# KiCad board LabSupply 2025-2026.kicad_pcb (continued)
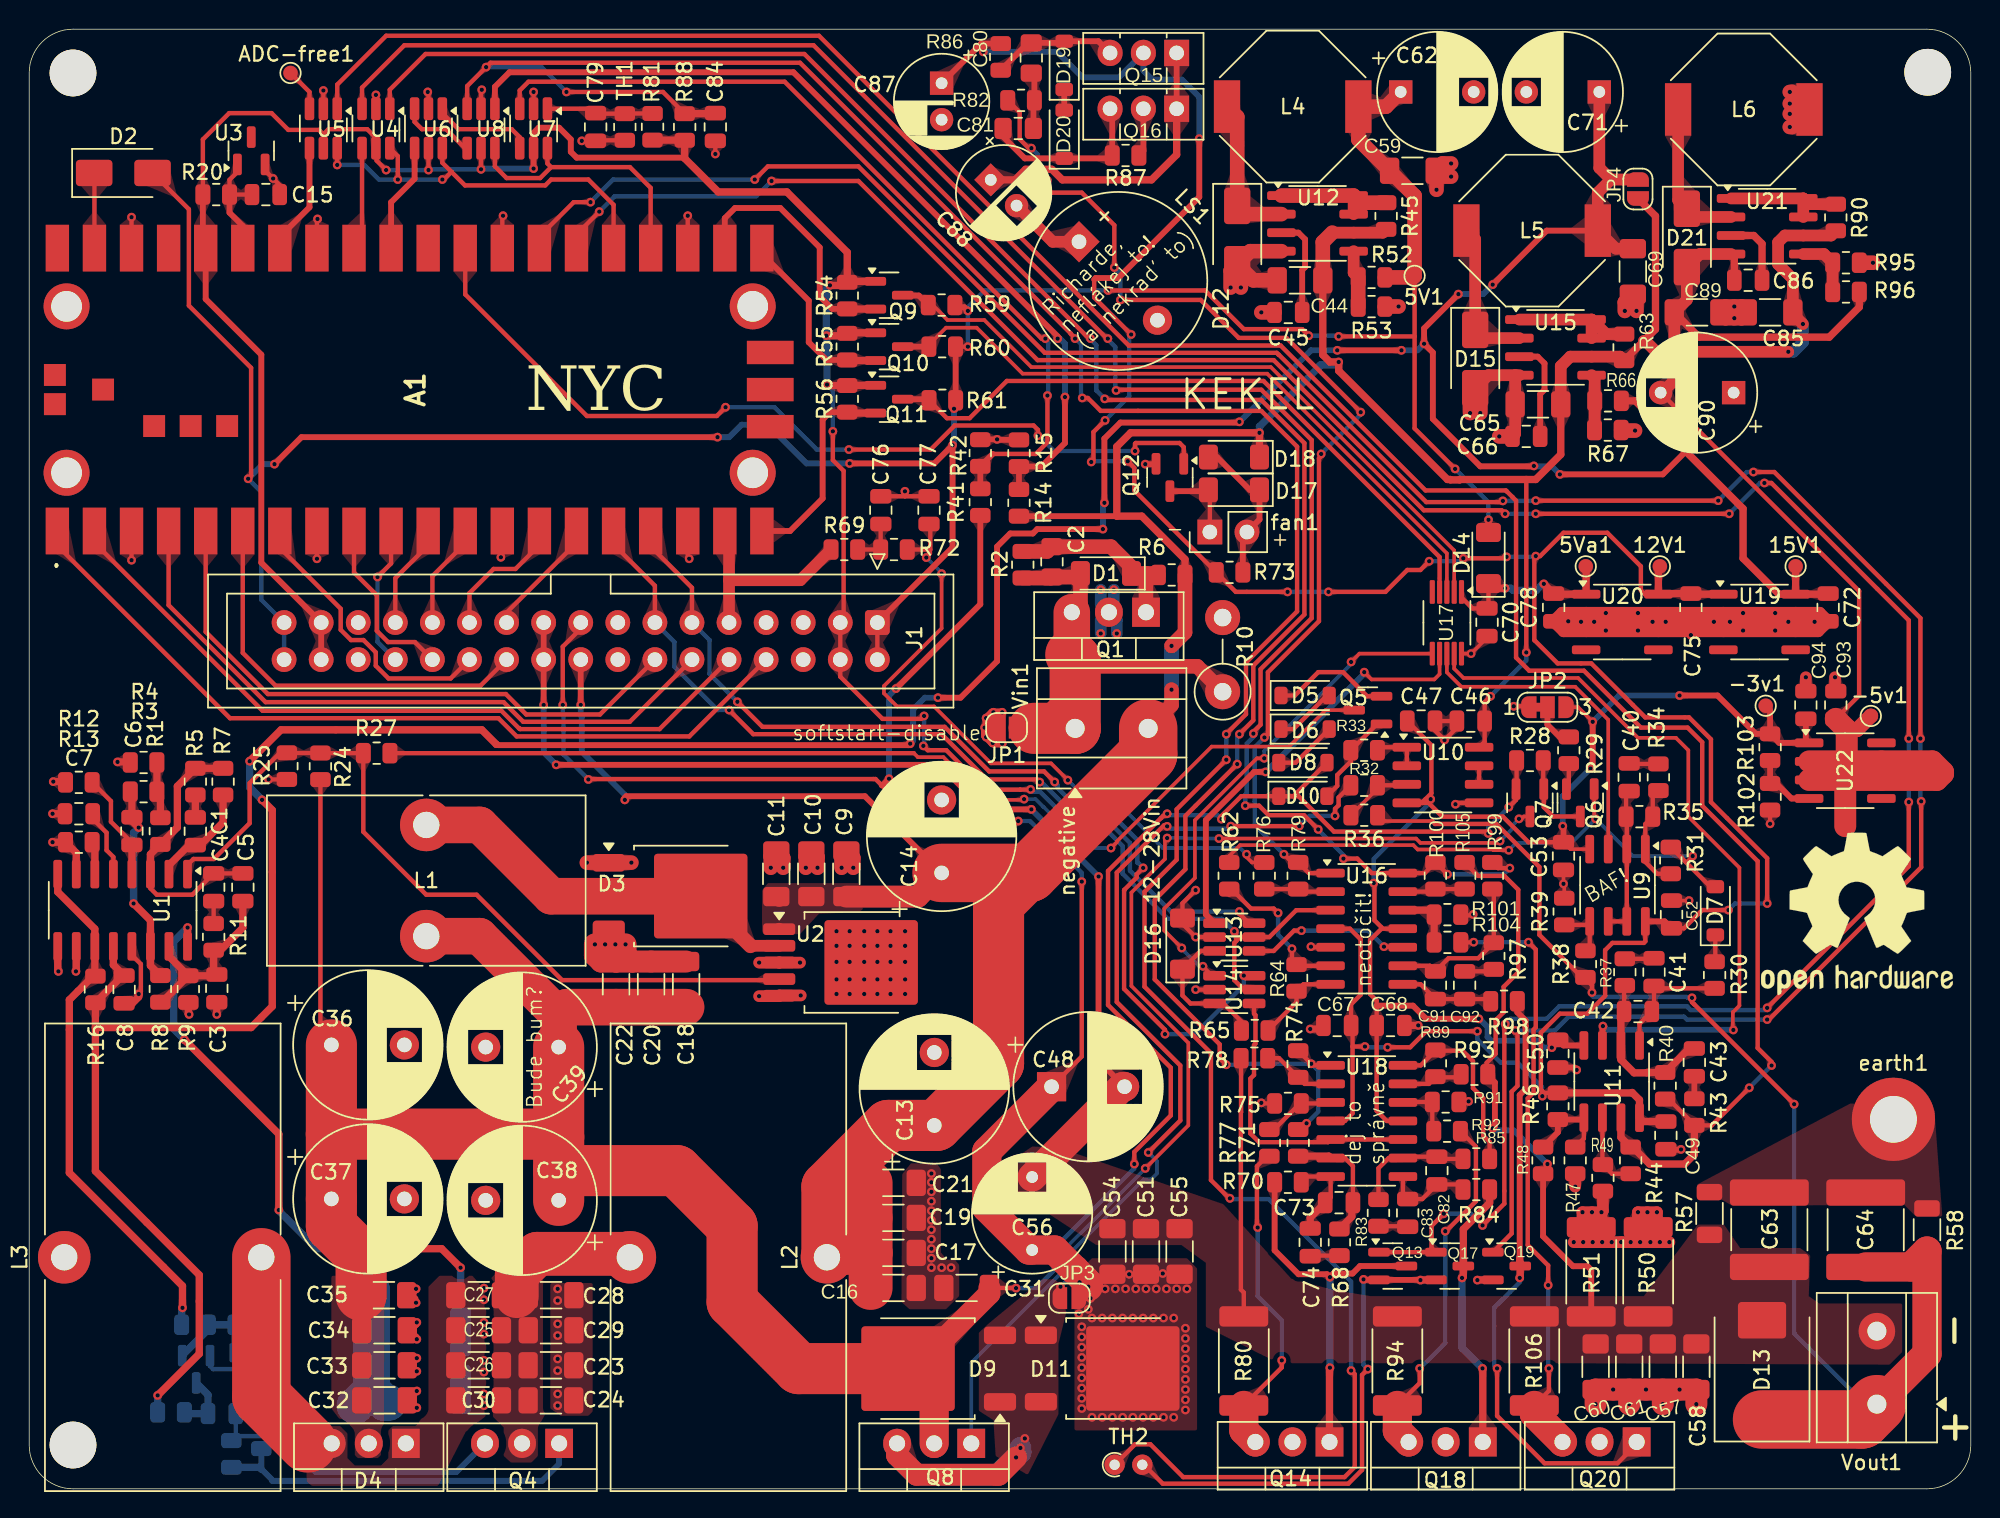
[diagram p0: board, top side]
## Routing (per net, layer and track width the routed paths; a pad name or vN(x,y) marks a point on that pad's centre or on a via; arc(x,y) is an arc through that point) (continued)
Vin-measured: length 60.9
  Top w0.4: R14.2 R15.1 69.34,70.04 70.95,71.65 v1(70.95,74.8) ; U8.1 31.9,96.05 32.9,97.05 52.35,97.05 70.45,78.95 v1(70.45,78.8)
  Bottom w0.4: v1(70.95,74.8) 70.95,78.45 70.6,78.8 v1(70.45,78.8)
adc-mux1: length 29.2
  Top w0.3: 28.92,90.22 28.3,90.85 U6.6 ; 28.92,90.22 28.4,89.7 v1(28.3,89.7) ; 28.92,90.22 29.85,89.3 35.35,89.3 35.75,89.7 38.3,89.7 40.03,87.97 A1.25 ; U4.6 25.25,91.3 v1(25.25,89.7) ; U5.6 v1(21.1,90.7)
  Bottom w0.3: v1(28.3,89.7) v1(25.25,89.7) 23.95,89.7 22.95,90.7 v1(21.1,90.7)
adc-mux2: length 18.7
  Top w0.3: U8.6 31.9,90.6 32.7,89.8 35,89.8 35.75,90.55 ; 35.75,90.55 41.15,90.55 42.57,89.13 A1.24 ; 35.75,90.55 35.5,90.8 U7.6
audio-PWM: length 14.2
  Top w0.8: 47.94,62.25 52.83,62.25 54.92,64.35 ; 47.94,62.25 J1.9 ; 47.94,62.25 47.94,65.33 A1.19
fan: length 60.7
  Top w0.3: v1(69.1,72.15) 69.1,72.55 68.8,72.85 63.4,72.85 61.75,71.2 v1(56.15,71.2) ; v1(47.7,74.1) 47.1,73.5 38.2,73.5 29.87,81.83 A1.29 ; Q12.1 79.09,71.36 78.8,71.65 75.8,71.65 75.75,71.6 v1(75.75,71.1)
  Bottom w0.3: v1(75.75,71.1) 70.2,71.1 69.15,72.15 v1(69.1,72.15) ; v1(56.15,71.2) 53.95,71.2 51.05,74.1 v1(47.7,74.1)
H-Iref: length 34.6
  Top w0.25: U14.1 81.05,35.15 v1(80.4,35.8) ; v1(90.55,56.65) 91.12,57.22 U17.6 ; v1(84.6,50.05) 84.1,50.05 79.85,45.8 79.85,41.85 77.75,39.75 77.75,38.25 v1(78.95,37.05)
  Bottom w0.25: v1(90.55,56.65) 90.55,56.5 84.6,50.55 v1(84.6,50.05) ; v1(78.95,37.05) 79.15,36.85 79.15,36.8 80.15,35.8 v1(80.4,35.8)
HighCurrent-enable: length 181.6
  Top w0.3: v1(128.75,51.4) 128.75,59.5 119.34,68.91 v1(118.86,68.91) ; v1(50.85,89.6) 56.8,89.6 69.07,77.33 85.25,77.33 95.53,67.04 100.86,67.04 v1(101.1,66.8) ; A1.26 37.49,85.94 v1(39.05,87.5) ; v1(119.05,32.95) 128.75,42.65 v1(128.75,47.05) ; v1(101.11,31.84) 101.05,31.78 101.05,19.54 v1(99.56,18.04) ; v1(116.45,66.8) v1(103.2,66.8) ; v1(96.9,18.85) 96.06,18.01 96.06,16.51 Q17.1 Q13.1
  Bottom w0.3: v1(116.45,66.8) 118.56,68.91 v1(118.86,68.91) ; v1(101.11,31.84) 101.47,32.2 103.95,32.2 104.8,33.05 113.57,33.05 113.63,32.99 113.63,32.97 113.8,32.8 118.9,32.8 v1(119.05,32.95) ; v1(96.9,18.85) 98.75,18.85 v1(99.56,18.04) ; v1(101.1,66.8) v1(103.2,66.8) ; v1(50.85,89.6) 49.8,88.55 40.1,88.55 v1(39.05,87.5) ; v1(128.75,51.4) v1(128.75,47.05)
HighCurrent-In-measured: length 140.6
  Top w0.3: 84.42,74.57 84.39,74.6 ; 84.42,74.57 84.39,74.6 ; 84.42,74.57 87.35,71.64 87.35,59.9 83.85,56.4 83.85,52.65 v1(82.9,51.7) ; 84.39,74.6 73.75,74.6 v1(73.68,74.68) ; v1(72.7,78.8) 72.6,78.8 53.1,98.3 27.15,98.3 24.7,95.85 U4.1 ; 86.95,30.04 R74.1 v1(87.82,29.12) 87.93,29.01 U18.1 ; v1(82.75,49.65) 79.2,46.1 79.2,42.45 77.1,40.35 77.1,34.9 81.55,30.45 81.55,29.5 v1(82,29.05) ; v1(87.5,25.04) 87.07,24.62 86.93,24.62
  Bottom w0.3: v1(73.68,74.68) 73.1,75.25 73.1,78.35 72.7,78.75 v1(72.7,78.8) ; v1(82.75,49.65) 82.75,51.55 v1(82.9,51.7) ; v1(87.82,29.12) 83.28,29.12 83.21,29.05 v1(82,29.05) ; v1(87.5,25.04) 88.3,25.84 88.3,28.65 87.85,29.1
HighCurrentSwitch: length 69
  Top w0.3: v1(77.8,31.15) 77.8,31.45 75,34.25 75,41 75.02,41.02 75.02,41.05 75.87,41.89 75.87,42.1 v1(76.31,42.54) ; J1.11 45.4,61.73 42.57,64.56 A1.17 ; v1(70.25,48.42) 69.52,49.15 65.76,49.15 62.71,52.2 50.23,52.2 v1(48.51,53.92) ; U14.6 83.89,35.16 v1(83.2,35.16)
  Bottom w0.3: v1(70.25,48.42) 70.45,48.22 70.45,48.01 72.54,45.92 74.44,45.92 75.9,44.46 75.9,42.9 75.95,42.9 v1(76.31,42.54) ; v1(48.51,53.92) 46.6,55.83 46.6,58.15 J1.11 ; v1(83.2,35.16) 83.2,34.5 79.85,31.15 v1(77.8,31.15)
Iout-measured: length 166.6
  Top w0.3: v1(117.82,27.47) 115.25,24.9 R43.2 114.06,24.94 112.3,26.7 R40.2 ; U5.1 21.1,96.2 24.45,99.55 54.1,99.55 75.32,78.33 85.72,78.33 95.65,68.4 101.15,68.4 101.22,68.33 101.6,67.95 101.6,67.95 101.85,67.7 101.85,56.95 102.75,56.05 106.5,56.05 110.4,52.15 113.6,52.15 114.6,51.15 114.6,46.8 118.4,43 118.4,30.2 119.35,29.25 v1(119.35,29)
  Top w0.5: R40.2 111.65,26.7 ; U11.7 109.03,24.08 R44.1 109.84,23.41 111,22.25 113.4,22.25 114.06,22.91 R43.2
  Bottom w0.3: v1(119.35,29) v1(117.82,27.47)
Iref: length 50.6
  Top w0.25: v1(116.73,31.43) 116.7,31.47 116.7,32.65 117.15,33.1 117.15,42.55 113.65,46.05 113.65,50.6 112.8,51.45 110.2,51.45 106.1,55.55 98.25,55.55 97.61,56.19 U17.9
  Top w0.4: v1(107.8,31.7) 107.76,31.66 107.76,30.38
  Bottom w0.4: v1(116.73,31.43) 116.72,31.45 108.05,31.45 v1(107.8,31.7)
L-Iref: length 29.4
  Top w0.25: U17.7 96.61,55.81 96.25,55.45 91.95,55.45 v1(91.45,55.95)
  Top w0.4: v1(84.69,49.11) 84.69,49.09 84.67,49.11 83.91,49.11 80.6,45.81 80.6,39.35 U13.1
  Bottom w0.4: v1(84.69,49.11) 84.71,49.11 91.45,55.85 v1(91.45,55.95)
LDAC: length 14.3
  Top w0.4: R56.2 54.86,73.76 54.35,73.25 54.35,67.85 52.12,65.62 A1.20
  Top w0.5: R56.2 56.1,73.7 Q11.2
LowCurrent-enable: length 177.6
  Top w0.3: v1(115.7,67.7) v1(103.2,67.7) ; v1(119.05,32.15) 119.17,32.15 129.6,42.58 v1(129.6,47.1) ; v1(100.95,67.68) 100.86,67.6 95.7,67.6 85.6,77.7 85.58,77.7 85.45,77.83 69.57,77.83 56.8,90.6 50.6,90.6 v1(49.7,89.7) ; Q19.1 101.55,17.5 101.55,27.21 101.95,27.61 101.95,31.25 v1(101.8,31.4) ; v1(38.45,88.15) 37.3,88.15 34.95,85.8 A1.27 ; v1(129.55,51.4) 129.55,59.65 119.54,69.66 v1(118.11,69.66)
  Bottom w0.3: v1(101.8,31.4) 104.5,31.4 105.45,32.35 113.35,32.35 113.55,32.15 v1(119.05,32.15) ; v1(49.7,89.7) 40,89.7 v1(38.45,88.15) ; v1(115.7,67.7) 117.66,69.66 v1(118.11,69.66) ; v1(103.2,67.7) 103.18,67.68 v1(100.95,67.68) ; v1(129.6,47.1) 129.55,47.15 v1(129.55,51.4)
LowCurrent-In-measured: length 130
  Top w0.3: v1(74.45,75.25) 74.5,75.3 84.4,75.3 87.85,71.85 87.85,59.65 84.35,56.15 84.35,52.35 83.86,51.86 v1(83.86,51.74) ; U4.3 22.8,96 25.7,98.9 53.72,98.9 73.82,78.8 v1(73.89,78.8) ; v1(101.42,42.53) 100.61,42.53 R99.2 ; v1(97.15,42.1) 96.34,42.91 R100.1 95.59,42.18 U16.14 91.97,42.18 90.97,43.18 v1(90.03,43.18) ; v1(83.3,46.8) 84.25,46.8 84.9,46.15 87.32,46.15 v1(88.3,45.18)
  Bottom w0.3: v1(90.03,43.18) 90.03,43.43 88.3,45.15 v1(88.3,45.18) ; v1(101.42,42.53) 101,42.1 v1(97.15,42.1) ; v1(83.3,46.8) 83.3,47.55 83.4,47.65 83.4,51.05 83.86,51.51 v1(83.86,51.74) ; v1(73.89,78.8) 73.89,78.74 74.4,78.22 74.4,75.3 v1(74.45,75.25)
LowCurrentSwitch: length 59.4
  Top w0.3: U13.6 83.55,38.75 82.75,39.55 v1(82.9,39.55) ; J1.13 42.86,61.87 40.03,64.7 A1.16 ; v1(47.94,53.36) 49.6,51.7 62.5,51.7 65.6,48.6 69.04,48.6 v1(69.22,48.42)
  Bottom w0.3: v1(69.22,48.42) 69.33,48.42 72.33,45.42 74.23,45.42 75.4,44.25 75.4,42.35 78.2,39.55 v1(82.9,39.55) ; v1(47.94,53.36) 47.16,53.36 44.2,56.31 44.2,58.01 J1.13
SCL: length 17.5
  Top w0.4: A1.22 47.65,87.05 48.35,87.75 51.45,87.75 54.15,85.05 54.15,81.7 55.01,80.84 R54.2
  Top w0.5: R54.2 56.05,80.82 57.96,80.82
SDA: length 12.9
  Top w0.4: R55.2 54.61,77.34 53.4,78.55 53.4,81.4 50.19,84.61 A1.21
  Top w0.5: Q10.2 56.08,77.3 R55.2
temp1: length 7.3
  Top w0.3: U7.1 38.45,94.55 38.75,94.25 C79.2 38.84,94.21 TH1.1 40.81,94.22 R81.2
temp2: length 189.1
  Top w0.3: v1(36.8,95.7) 43.41,95.7 R88.2 ; v1(72.14,74.73) 72.52,74.73 73.4,73.85 84.4,73.85 86.85,71.4 86.85,60.11 83.35,56.61 83.35,53.07 82,51.72 v1(82,51.7) ; v1(71.64,78.8) 71.64,78.84 71.34,79.14 71.34,79.16 52.8,97.7 31.6,97.7 v1(31.3,97.4) 30,96.1 U8.3 ; TH2.1 75.75,3.05 76.8,3.05 79.05,0.8 90.1,0.8 90.8,1.5 90.8,7.85 v1(90.55,8.1) ; v1(82.25,19.9) 82.2,19.9 80.95,21.15 80.95,29.85 76.4,34.4 76.4,40.9 78.6,43.1 78.6,46.55 v1(82,49.95)
  Top w0.5: C84.2 46.96,94.21 R88.2
  Bottom w0.3: v1(72.14,74.73) 72.05,74.82 72.05,78.43 71.68,78.8 v1(71.64,78.8) ; v1(82.25,19.9) 82.3,19.85 84.9,19.85 90.55,14.2 v1(90.55,8.1) ; v1(82,51.7) v1(82,49.95) ; v1(31.3,97.4) 35.1,97.4 v1(36.8,95.7)
Vout+: length 204.3
  Top w0.25: 96.1,45.75 92.86,45.75 92.46,46.15 R36.1
  Top w0.3: v1(120.9,26.35) 114.05,33.2 114.04,33.2 113.9,33.34 v1(113.9,33.64) ; v1(72.1,41.6) 72.1,29.62 C48.1 ; 96.1,45.75 96.3,45.55 100.5,45.55 103.45,42.6 103.45,37.95 106.36,35.04 R38.1 106.6,34.95 107.05,34.5 v1(107.05,34) ; v1(36.55,53.7) 36.55,57.7 37.78,58.93 J1.17 ; v1(38.3,48.6) 38.33,48.63 57.97,48.63 61.25,45.35 67.35,45.35 v1(67.75,45.75)
  Top w0.4: v1(59.38,54.82) 65.15,60.6 R41.1 ; v1(58.9,48.65) 58.45,48.2 58.4,48.2
  Top w1.5: v1(107.3,5.8) C60.2 v1(108.5,6.8) v1(110.75,6.8) v1(113.05,6.8) C58.2 v1(114.2,5.8) ; C61.2 v1(109.6,5.8) ; C57.2 v1(111.9,5.8)
  Top w2: v1(72.55,13.85) 72.55,14.05 72.31,14.29 72.31,14.31 71.6,15.02 71.58,15.02 70.24,16.36 C56.1 68.49,16.36 65.6,19.25 65.6,23.12 C48.1 ; Vout1.1 130,9.23 R58.1 128.91,15.2 C64.1
  Top w4: Vout1.1 125.52,4.75 D13.1
  Bottom w0.3: v1(120.9,26.35) 120.9,10.65 125.75,5.8 Vout1.1 ; v1(67.75,45.75) 68.55,45.75 72.1,42.2 v1(72.1,41.6) ; v1(113.9,33.64) 113.6,33.64 113.54,33.7 107.15,33.7 107.05,33.8 v1(107.05,34) ; v1(38.3,48.6) 36.6,50.3 36.6,53 36.55,53.05 v1(36.55,53.7)
  Bottom w0.4: v1(58.9,48.65) 58.9,54.35 v1(59.38,54.82)
  vias: v1(71.95,14.15) v1(71.9,12) v1(72.1,11.1) v1(72.1,10.4) v1(72.1,9.7) v1(72.1,9) v1(72.1,8.3) v1(72.1,7.6) v1(72.1,6.9) v1(72.1,6.2) v1(72.1,5.5) v1(72.55,12.3) v1(72.7,13.05) v1(72.8,11.7) v1(72.8,4.9) v1(73.5,11.7) v1(73.5,4.9) v1(73.7,13.7) v1(74.2,11.7) v1(74.2,4.9) v1(74.4,13.7) v1(74.9,11.7) v1(74.9,4.9) v1(75.1,13.7) v1(75.35,14.7) v1(75.6,11.7) v1(75.6,4.9) v1(75.8,13.7) v1(76.3,11.7) v1(76.3,4.9) v1(76.5,13.7) v1(77,11.7) v1(77,4.9) v1(77.2,13.7) v1(77.65,14.75) v1(77.7,11.7) v1(77.7,4.9) v1(77.9,13.7) v1(78.4,11.7) v1(78.4,4.9) v1(78.6,13.7) v1(79.2,11) v1(79.2,10.3) v1(79.2,9.6) v1(79.2,8.9) v1(79.2,8.2) v1(79.2,7.5) v1(79.2,6.8) v1(79.2,6.1) v1(79.2,5.4) v1(79.3,13.7)
Vout-: length 131.6
  Top w0.3: R78.2 83.01,25.81 83,25.8 83,13.65 83.2,13.45 R80.2 ; R93.2 99.84,28.48 99.84,29.19 100.45,29.8 100.45,32.1 101,32.65 101,34.39 102,35.39 102,41.04 101.05,41.99 99.25,41.99 98.33,42.91 R105.2
  Top w0.4: v1(100.25,24.7) 100.4,24.85 100.4,27.84 99.91,28.33 R93.2 ; v1(104,22.25) 104,21.9 103.7,21.6 R48.2 103.7,17.3 105.75,15.25 106.75,15.25 107,15 R51.1 ; v1(36.1,49.6) 62.35,49.6 65.4,46.55 v1(68.65,46.55) ; J1.19 J1.20 v1(35.24,53.7) ; v1(73.25,41.95) 73.25,29.33 C48.2
  Top w0.5: 99.89,28.45 99.91,28.43 R93.2
  Top w2: C56.2 74.89,27.55 C48.2
  Bottom w0.4: v1(36.1,49.6) 35.25,50.45 35.25,53.04 35.24,53.05 v1(35.24,53.7) ; v1(104,22.25) 103.26,22.99 103.25,22.99 101.69,24.55 100.4,24.55 v1(100.25,24.7) ; v1(73.25,41.95) v1(68.65,46.55)
Vout-measured: length 58.8
  Top w0.3: U7.3 33.6,95.8 34.2,96.4 51.75,96.4 69.35,78.8 v1(69.61,78.8) ; v1(69.75,74.9) 69.75,71.7 68.95,70.9 66,70.9
  Top w0.4: 66,70.9 R42.1 R41.2
  Bottom w0.3: v1(69.61,78.8) 69.61,78.71 69.8,78.52 69.8,74.95 v1(69.75,74.9)
Vref: length 22.5
  Top w0.25: U17.8 97.11,55.94 98.1,54.95 105.9,54.95 108.16,52.69 108.16,43.82
Net-(A1-ADC_VREF): length 8
  Top w0.3: R20.1 13.72,89.68 14.26,90.22 U3.1 ; R20.1 13.83,88.56 ; R20.1 C15.1
  Top w0.4: A1.35 14.63,86.52 13.72,87.43 R20.1
Net-(A1-GPIO0): length 57.1
  Top w0.3: J1.8 45.22,51.55 33.39,51.55 32.15,52.8 13.75,52.8 1.93,64.62 A1.1
Net-(A1-GPIO1): length 51.5
  Top w0.3: J1.10 43.18,52.05 33.63,52.05 33.58,52.1 33.55,52.1 32.35,53.3 15.99,53.3 4.47,64.82 A1.2
Net-(A1-GPIO2): length 46
  Top w0.3: J1.12 41.14,52.55 33.84,52.55 32.5,53.9 16.2,53.9 9.55,60.54 A1.4
Net-(A1-GPIO3): length 41.6
  Top w0.3: J1.14 39.1,53.05 34.05,53.05 32.65,54.45 16.35,54.45 12.09,58.71 A1.5
Net-(A1-GPIO4): length 28.1
  Top w0.3: J1.22 30.91,55.02 16.88,55.02 14.63,57.27 A1.6
Net-(A1-GPIO5): length 19.8
  Top w0.3: A1.7 17.17,64.46 21.34,60.29 21.34,58.85 22.04,58.15 22.9,58.15 23.74,57.31 23.74,56.39 24.61,55.52 28.87,55.52 J1.24
Net-(A1-GPIO6): length 12.1
  Top w0.3: A1.9 22.25,62.78 23.81,61.22 23.81,58.78 24.58,58.01 26.42,58.01 J1.26
Net-(A1-GPIO7): length 9.7
  Top w0.3: v1(23.86,62.47) 24.79,63.4 A1.10
  Bottom w0.3: v1(23.86,62.47) 23.86,58.03 J1.28
Net-(A1-GPIO8): length 8.4
  Top w0.3: J1.27 25.08,62.39 27.33,64.64 A1.11 27.33,64.44
Net-(A1-GPIO9): length 7.2
  Top w0.3: J1.25 27.62,62.53 29.87,64.78 A1.12
Net-(A1-GPIO10): length 9.1
  Top w0.3: A1.14 34.95,64.66 33.31,63.02 31.81,63.02 30.16,61.37 J1.23
Net-(A1-GPIO11): length 8.3
  Top w0.3: A1.15 37.49,64.82 32.7,60.03 J1.21
Net-(A1-GPIO26_ADC0): length 7.5
  Top w0.4: U6.4 26.4,89.75 24.79,88.14 A1.31
Net-(A1-GPIO27_ADC1): length 7.3
  Top w0.3: 22.92,91.97 U4.4 22.8,85.55 A1.32
Net-(A1-GPIO28_ADC2): length 7.7
  Top w0.4: A1.34 17.17,85.77 19.2,87.8 U5.4
Net-(A1-VSYS): length 5.2
  Top w0.3: A1.39 4.47,90.13 D2.1
Net-(ADC-free1-Pad1): length 3
  Top w0.3: U5.3 19.2,95.7 ADC-free1.1
Net-(C1-Pad2): length 1.5
  Top w0.5: R5.2 C1.2
Net-(C4-Pad2): length 1.5
  Top w0.3: C4.2 R11.2
Net-(C23-Pad2): length 15.7
  Top w1.5: D4.3 19.09,3.11
  Top w4: 19.09,3.11 15.9,6.3 L3.2
  vias: v1(31.15,13.75) v1(31.15,12.95) v1(31.15,11.4) v1(31.15,10.6) v1(31.15,8.8) v1(31.15,8) v1(31.15,6.5) v1(31.15,5.7) v1(36.2,13.7) v1(36.2,12.9) v1(36.2,11.3) v1(36.2,10.5) v1(36.2,8.9) v1(36.2,8.1) v1(36.2,6.5) v1(36.2,5.7)
Net-(C40-Pad1): length 2
  Top w0.3: R34.2 109.64,49.66 C40.1
Net-(C41-Pad1): length 8.7
  Top w0.3: R30.2 111.46,34.29 C41.1 111.3,32.85 C42.1 110.31,31.85 U11.1
Net-(C41-Pad2): length 2
  Top w0.3: R37.1 111.26,36.31 C41.2
Net-(C43-Pad2): length 1.5
  Top w0.4: 114.06,28.26 R43.1
Net-(C73-Pad1): length 6.3
  Top w0.3: R70.1 87.53,21.39 U18.7 89.15,19.98 C73.1
  Top w0.5: C74.1 87.75,18.58 C73.1
Net-(C74-Pad2): length 2
  Top w0.3: R68.1 87.79,15.97 C74.2
Net-(C76-Pad1): length 3.3
  Top w0.3: C76.1 58.33,66.09 R72.1 R69.2
Net-(C77-Pad1): length 46.4
  Top w0.25: R76.1 83.76,42.91 83.39,43.28 v1(83.39,43.47) ; v1(71.15,48.55) 70,49.7 65.88,49.7 61.98,53.6 59.45,53.6 58.55,54.5 58.55,55 62.5,58.95 v1(62.5,62.7) ; 61.72,64.35 61.72,64.07 v1(61.45,63.8)
  Top w0.3: C77.1 61.72,66.01 61.72,64.35 R72.2
  Bottom w0.25: v1(62.5,62.7) 62.5,62.75 v1(61.45,63.8) ; v1(83.39,43.47) 83.38,43.47 82.95,43.9 77.65,43.9 74.9,46.65 73.05,46.65 v1(71.15,48.55)
Net-(C80-Pad2): length 3.9
  Top w0.4: C80.2 68.86,96.78 R82.2 68.79,95.06 C81.2
Net-(C82-Pad1): length 6
  Top w0.3: U18.8 94.1,20.18 C83.1 95.43,19.85 C82.1 97.86,20.85 R84.1
Net-(C83-Pad2): length 2
  Top w0.3: R83.1 94.39,17.99 C83.2
Net-(C88-Pad2): length 5.3
  Top w0.8: LS1.1 70.11,85.44 C88.2
Net-(C91-Pad1): length 6.5
  Top w0.3: R98.1 99.96,33.55 C92.1 C91.1 95.31,34.56 U16.8
Net-(C92-Pad2): length 2.1
  Top w0.3: C92.2 100.19,35.45 R97.1
Net-(D1-A): length 31.4
  Top w1: 68.84,52.1 68.8,52.15 JP1.1 ; R2.2 69.98,62.4 C2.2 71.77,62.47 D1.2 72.01,60.65 Q1.3 ; 71.35,57.15 72.15,56.35 80.01,56.35 R10.1
  Top w2.5: Q1.3 71.42,57.22 71.35,57.15
  Top w3.5: Vin1.1 71.06,52.69 ; Vin1.1 71.65,56.85 71.35,57.15 ; Vin1.1 68.84,52.1
Net-(D1-K): length 13.1
  Top w1: Q1.1 76.5,62.71 ; 76.5,62.71 77.25,62.71 R6.2 ; 76.5,62.71 D1.1 75.51,63.14 74.1,64.55 C2.1 69.73,64.22 R2.1
Net-(D3-K): length 27.6
  Top w0.8: U2.2 49.41,37.2
  Top w1: 49.41,37.2 D3.2
  Top w2.5: L1.1 30.87,45.48 35.75,40.6 45.99,40.6 D3.2
Net-(D5-A): length 4.3
  Top w0.3: D6.1 86.6,52.05 88.9,54.35 D5.2
Net-(D5-K): length 8.2
  Top w0.3: D5.1 86.7,54.35 88.3,55.95 90,55.95 91.65,54.3 Q5.2
Net-(D6-A): length 4.4
  Top w0.3: D6.2 86.75,49.75 D8.1
Net-(D7-A): length 41.5
  Top w0.25: v1(107.3,45.9) 107.2,46 Q6.1 ; R62.1 82.2,43.35 82.95,44.1 94.81,44.1 95.11,43.8 100.25,43.8 100.3,43.75 100.49,43.75 100.49,43.75 100.92,43.75 100.92,43.75 v1(101.35,43.75) ; 113.48,42.93 113.53,42.93 v1(113.95,43.35)
  Top w0.3: D7.2 115.16,41.25 R31.1
  Bottom w0.25: v1(101.35,43.75) 101.85,44.25 105.65,44.25 v1(107.3,45.9) 109.85,43.35 v1(113.95,43.35)
Net-(D7-K): length 1.9
  Top w0.3: D7.1 115.5,36.16 R30.1
Net-(D10-A): length 6.7
  Top w0.3: D10.2 89.6,48.16 89.6,48.9 90.53,49.83 R33.1 92.33,52.4 Q5.1
Net-(D10-K): length 208.8
  Top w0.3: D8.2 86.6,47.45 D10.1 ; D10.1 83.02,47.45 81.65,46.08 81.65,45.9 v1(81.67,45.88) ; D10.1 86.95,47.45 89.37,45.03 99.82,45.03 v1(99.95,44.9) ; C31.2 67.59,13.76 v1(67.6,13.75) ; R24.1 19.95,31.16 C36.1 ; R28.1 101.89,47.97 Q7.2 101.85,47.2 v1(101.35,46.7) ; v1(77.95,46.25) 77.8,46.1 77.68,46.1 77.53,45.95 77.52,45.95 73.9,42.33 73.9,33.15 78.2,28.85 78.2,25.58 75.7,23.08 v1(75.7,22.25)
  Top w1.5: D9.2 60.64,8.24 65.78,13.38 C31.2
  Top w2: Q8.2 61.99,6.44
  Top w2.5: 36.27,32.43 36.84,33 C22.2 C18.2 ; 36.27,32.43 30.84,37.86 L1.2 ; 36.27,32.43 C39.1 ; 61.99,6.44 D9.2
  Top w3.5: 36.27,21.8 C38.1 ; 36.27,21.8 44.35,21.8 48.15,18 48.15,12.8 52.72,8.24 D9.2 ; 36.27,21.8 36.27,24.1 ; 20.7,24.3 36.07,24.3 36.27,24.1 ; 20.7,24.3 C36.1 ; 20.7,24.3 C37.1 20.7,18 22.74,15.96 C35.2 ; 36.27,24.1 C39.1
  Bottom w0.3: v1(75.7,22.25) 75.7,21.95 70.17,16.42 70.17,14.95 68.98,13.75 v1(67.6,13.75) ; v1(81.67,45.88) 81.4,46.15 78.05,46.15 v1(77.95,46.25) ; v1(101.35,46.7) 99.95,45.3 v1(99.95,44.9)
Net-(D12-K): length 10.3
  Top w1: L4.1 82.75,94 D12.1 83.31,87.33 U12.2
Net-(D15-K): length 10.3
  Top w0.8: L5.1 99.05,85.6 D15.1 99.62,78.84 102.07,78.84
Net-(D16-K): length 9.9
  Top w0.3: R65.2 83.04,32.01 81.8,33.25 U14.3 79.55,33.25 79,33.8 D16.1 80.25,36.85 U13.3
Net-(D17-A): length 6
  Top w0.3: 80.25,68.45 80.35,68.55 80.88,68.03 fan1.1
  Top w0.4: Q12.3 80.69,68.35 D17.2
Net-(D17-K): length 10.6
  Top w0.4: R73.2 83.14,65.27 fan1.2 84.28,66.41 D17.1 83.61,68.44 81.36,70.69 D18.2
Net-(D19-A): length 8.6
  Top w0.4: Q15.3 73.24,99.18 D19.2 70.79,99.06 C80.1 68.42,99.06 R86.2
Net-(D19-K): length 1.4
  Top w0.4: D19.1 D20.2
Net-(D20-K): length 12
  Top w0.4: Q16.3 74.19,94.4 R87.1 73.99,91.15 D20.1 68.2,91.15 66.71,92.64 C81.1
Net-(D21-A): length 86
  Top w0.3: C90.2 125.35,61.5 125.35,54.35 C93.1
  Top w0.5: C89.2 114.39,78.9 123.3,78.9 125.36,80.96 R96.2 ; U21.4 116.8,84.37 C86.1
  Top w0.8: C90.2 111.85,75.1 112.69,75.94 C89.2 113.55,81.46 D21.2 114.44,84.59 U21.4
  Top w1: 124.5,52 125.2,52 -5v1.1
  Top w1.5: 124.4,48.56 124.4,45.4 ; 124.4,48.56 U22.6 130.66,48.56 131.1,49 131.1,49.1 130.37,49.84 124.5,49.84 ; 124.4,48.56 U22.3 ; C93.1 124.5,52 124.5,49.84 ; 124.5,49.84 121.93,49.84
Net-(D21-K): length 10.3
  Top w0.8: L6.1 112.95,88.3 D21.1 114.12,87.13 U21.2
Net-(JP2-C): length 3
  Top w0.4: R29.2 105.45,51.5 104.85,51.5 104,52.35 JP2.2
Net-(JP3-A): length 75.6
  Top w0.25: v1(70.64,13.85) 70.6,13.8 JP3.1
  Top w0.3: 90.23,47.9 R32.1 89.69,47.36 89.69,46.83 89.45,46.59 v1(89.45,46.1) ; v1(76.66,23.04) 78.85,25.23 78.85,29 74.5,33.35 74.5,42.22 77.73,45.45 77.89,45.45 v1(77.95,45.39) ; v1(82.3,45.4) v1(87,45.4)
  Top w1.5: v1(67.6,2.15) 66.41,0.96 60.79,0.96 59.45,2.3 Q8.3
  Bottom w0.25: v1(70.64,13.85) 71.15,14.35 71.15,16 76.35,21.2 76.85,21.2 77.25,21.6 77.25,22.45 v1(76.66,23.04)
  Bottom w0.3: v1(89.45,46.1) 87.7,46.1 v1(87,45.4) ; v1(82.3,45.4) 82.3,45.4 82.13,45.23 78.17,45.23 78.01,45.39 v1(77.95,45.39)
  Bottom w1.5: Q8.3 59.45,2.3 60.8,0.95 66.35,0.95 67.9,2.5 v1(67.9,2.8)
  vias: v1(68.2,3.45)
Net-(Q2-B): length 6.8
  Bottom w0.5: Q2.1 10.49,9.14 12.27,10.92 R17.2 R18.1 14.09,9.21 14.01,9.12
Net-(Q2-C): length 4.1
  Bottom w0.5: Q2.3 12.25,6.44 C12.2 10.71,5.15 R19.1
Net-(Q2-E): length 11.7
  Bottom w0.3: Q2.2 12.39,8.41 12.6,8.2 14.65,8.2 15.1,8.65 15.1,9.05 15.38,9.32 Q3.2
  Bottom w0.5: R18.2 15.92,9.14 15.91,9.12 15.91,4.58 R21.1
Net-(Q3-C): length 66.5
  Top w0.5: U1.16 10.84,38.44 v1(10.85,38.45) ; v1(29.55,15.15) 28.25,16.45 v1(25.1,16.45) ; v1(17.1,19.1) 17.1,24.3 v1(10.62,30.78)
  Bottom w0.3: 17.14,3.61 14.16,3.61 R22.2 ; 14.15,5.24 14.15,3.6 R22.2 ; R22.2 14.05,3.3
  Bottom w0.4: 17.14,3.61 19.61,1.14 29.25,1.14 Q4.3
  Bottom w0.5: v1(10.62,30.78) 9.9,31.5 9.9,37.5 v1(10.85,38.45) ; R26.1 v1(29.55,15.15) ; v1(17.1,19.1) 17.1,19.05 19.7,16.45 v1(25.1,16.45) ; 14.15,5.24 14.96,6.04 14.96,7.25
Net-(Q4-D): length 9.9
  Top w3: 33.4,13.2 33.4,14.7 34.8,16.1 40.91,16.1 L2.2
Net-(Q4-G): length 26.2
  Bottom w0.4: Q4.1 36.3,1.71 35.13,0.54 16.65,0.54 16.65,0.6 15.9,1.35 R21.2
  Bottom w0.5: R22.1 15.78,1.47 15.9,1.35
Net-(Q5-C): length 72.7
  Top w0.25: v1(68.15,47.25) 68.1,47.2 65.55,47.2 62.62,50.13 60.87,50.13 60.6,50.4 ; v1(74.1,43.9) 74.5,44.3 74.5,44.35 81,50.85 86.3,50.85 88.8,53.35 Q5.3
  Top w0.3: R27.2 60.6,50.4
  Bottom w0.25: v1(74.1,43.9) 72.3,43.9 69.47,46.73 69.45,46.73 68.93,47.25 v1(68.15,47.25)
Net-(Q6-C): length 6
  Top w0.3: R28.2 103.71,47.97 Q7.1 103.75,46.7 104.39,46.06 Q6.3
Net-(Q6-E): length 1.8
  Top w0.3: R29.1 105.46,48.1 Q6.2
Net-(Q7-C): length 76.1
  Top w0.25: v1(100.75,44.38) 100.62,44.25 95.3,44.25 95,44.55 v1(81.5,44.55) ; Q7.3 102.39,46.06 102.22,45.9 v1(102.05,45.9) ; v1(77.95,44.59) 77.8,44.44 77.8,43.15 75.5,40.85 75.5,34.45 79.4,30.55 79.4,24.9 v1(76.45,21.95)
  Bottom w0.25: v1(102.05,45.9) 101.6,45.45 101.6,45.23 v1(100.75,44.38) ; v1(76.45,21.95) 70.65,16.15 70.65,14.75 64.53,8.63 Q8.1 ; v1(81.5,44.55) 79.2,44.55 79.15,44.6 77.96,44.6 v1(77.95,44.59)
Net-(Q9-D): length 47.9
  Top w0.25: U17.2 97.61,64.29 85.05,76.85 68.65,76.85 65.43,80.07 62.9,80.07 62.57,80.4 62.57,80.43 61.9,81.1 R59.2
  Top w0.4: R59.2 60.94,81.75 59.8,81.75 59.83,81.78 Q9.3
Net-(Q10-D): length 47
  Top w0.25: U17.3 97.11,64.09 84.8,76.4 68.05,76.4 64.9,79.55 62.8,79.55 61.62,78.38 R60.2 61.62,78.22
  Top w0.4: Q10.3 R60.2
Net-(Q11-D): length 45.8
  Top w0.2: 96.63,61.46 U17.4 96.61,62.34
  Top w0.3: R61.2 62.86,73.35 64.42,73.35 66.97,75.9 84.55,75.9 96.61,63.84 96.61,62.34
  Top w0.4: Q11.3 61.56,74.65 R61.2
Net-(Q13-D): length 26.1
  Top w0.4: R70.2 85.31,16.34 86.95,14.7 88.9,14.7 v1(89.1,14.5) 89.35,14.75 90.65,14.75 91.16,15.26 Q13.3
  Top w0.5: v1(89.1,8.3) 89.07,8.27 Q14.1
  Bottom w0.5: v1(89.1,14.5) v1(89.1,8.3)
Net-(Q14-S): length 22.1
  Top w0.3: v1(84.15,17.9) 84.1,17.95 84.1,22.1 84.79,22.79 R77.2 ; R80.1 85.8,8.31 v1(85.8,8.8)
  Top w2: R80.1 83.2,4 Q14.3
  Bottom w0.3: v1(85.8,8.8) 85.8,11.55 84.15,13.2 v1(84.15,17.9)
Net-(Q15-E): length 21
  Top w0.4: Q16.1 Q15.1
  Top w0.5: Q16.1 78.6,91.4 76.88,89.68 70.77,89.68 70.05,90.4 68.25,90.4 67.53,89.68 C88.1
Net-(Q17-D): length 18.7
  Top w0.3: 99.98,20.45 R84.2
  Top w0.5: v1(99.55,8.25) 99.57,8.23 Q18.1 ; R84.2 100.04,19.59 98.24,17.79 Q17.3 98.24,14.54 v1(98.15,14.45)
  Bottom w0.5: v1(98.15,14.45) 98.15,9.65 v1(99.55,8.25)
Net-(Q18-S): length 24.3
  Top w0.3: R92.2 99.1,23.44 99.1,19.7 97.05,17.65 v1(97,17.65) ; R94.1 95.25,7.24 v1(95.25,8.25)
  Top w2: Q18.3 93.72,3.98 R94.1
  Bottom w0.3: v1(95.25,8.25) 97,10 v1(97,17.65)
Net-(Q19-D): length 41.2
  Top w0.3: Q20.1 110.11,3.06 108.8,1.75 103.8,1.75 100.55,5 v1(100.55,8.25)
  Top w0.4: 102.1,15.85 102.1,26.98 102.5,27.38 102.5,31.69 102.5,31.69 102.5,32.09 101.94,32.65 R98.2
  Top w0.5: 102.1,15.85 102.1,15.53 102.14,15.49 Q19.3 102.14,14.49 v1(102.1,14.45)
  Bottom w0.3: v1(102.1,14.45) 102.1,14.15 100.35,12.4 100.35,8.45 v1(100.55,8.25)
Net-(Q20-S): length 41.1
  Top w0.3: v1(98.95,37.45) 98.8,37.45 98.79,37.44 R104.2 ; v1(104.05,13.95) 104.05,15.3 102.65,16.7 102.65,26.75 103.05,27.15 103.05,31.46 103.2,31.61 103.2,36.95 v1(102.7,37.45) ; v1(104.1,8.25) 104.1,6.71 R106.1
  Top w2: R106.1 103.1,5.14 Q20.3
  Bottom w0.3: v1(104.05,13.95) 104.05,8.3 v1(104.1,8.25) ; v1(98.95,37.45) v1(102.7,37.45)
Net-(R1-Pad2): length 3.9
  Top w0.5: R4.2 R3.1 8.98,47.53 R1.2
Net-(R31-Pad2): length 7.3
  Top w0.3: R34.1 111.21,47.45 R35.1 110.71,45.54 U9.1 110.71,42.94 111.51,42.14 R31.2
Net-(R64-Pad2): length 6
  Top w0.3: U16.7 87.28,34.56 R64.2 86.81,33.35 R65.1
Net-(R79-Pad2): length 75.7
  Top w0.3: v1(74.33,83.67) 74.33,86.57 72.1,88.8 69.95,88.8 69.74,89.01 v1(69.74,89.64) ; v1(85.95,43.47) 86.51,42.91 R79.2 87.66,42.18 U16.1 ; v1(91.21,73.76) 86.12,78.85 82.85,78.85 80.25,81.45 v1(74.75,81.45) ; R82.1 67.85,94.31 67.85,92.47 68.47,91.85 v1(68.65,91.85) ; v1(84.61,51.47) 84.85,51.71 84.85,55.94 88.35,59.44 88.35,70.6 88.45,70.7 88.45,70.85 v1(88.5,70.9)
  Bottom w0.3: v1(88.5,70.9) 91.21,73.61 v1(91.21,73.76) ; v1(84.61,51.47) 83.95,50.81 83.95,47.07 83.95,47.07 83.95,45.47 v1(85.95,43.47) ; v1(69.74,89.64) 69.1,90.29 69.1,91.4 v1(68.65,91.85) ; v1(74.75,81.45) 74.75,83.25 v1(74.33,83.67)
Net-(R85-Pad2): length 13.3
  Top w0.3: 96.32,30.01 95.32,29.01 U18.14 ; 96.32,30.01 96.7,29.64 ; 96.32,30.01 98.19,30.01 98.9,29.3 98.9,27.45 99.6,26.75 99.6,24.2 100.04,23.76 R85.2 ; 96.32,30.01 R89.1
Net-(U1-1IN+): length 55.6
  Top w0.3: U1.1 10.84,42.75 11.25,43.15 12.65,43.15 15.1,45.6 15.1,48.35 17.17,50.43 R25.1 17.66,50.41 R24.2 19.96,50.4 R27.1 22.89,45.01 27.2,40.7 30.65,40.7 36.5,34.85 51.3,34.85 U2.4
Net-(U1-1IN-): length 8.1
  Top w0.5: R7.1 13.28,45.66 11.72,44.1 C1.1 10.95,44.1 9.58,42.72 U1.2 9.58,42.76
Net-(U1-2IN-): length 13.4
  Top w0.5: R9.2 9.58,36.47 U1.15 ; R9.2 9.09,33.34 R8.1 ; R9.2 12.76,35.15 C3.1 12.64,35.45 R11.1 13.1,36.9 14.64,38.44 C5.2
Net-(U1-C1): length 36
  Top w0.5: v1(10.5,12.4) 10.5,13.9 2.75,21.65 2.75,33.5 4.38,35.13 4.53,35.13 R16.2 4.49,35.16 U1.11 4.49,38.35 1.95,40.9 U1.8
  Bottom w0.5: 10.44,11.24 10.44,12.34 v1(10.5,12.4)
Net-(U1-CT): length 4.7
  Top w0.3: C7.1 4.35,45.9 5.3,44.95 5.3,43.75 5.77,43.28 5.77,42.11
Net-(U1-DTC): length 7.4
  Top w0.3: R12.2 5.6,47.11 5.6,45.7 7.03,44.26 C6.2
  Top w0.5: C6.2 U1.4
Net-(U1-FB): length 18.5
  Top w0.3: C5.1 C4.1 11.17,40.7 8.74,40.7 8.31,41.14 U1.3
  Top w0.5: U1.3 8.31,43.47 R1.1 10.15,45.31 10.15,48.13 R5.1 R7.2
Net-(U1-REF): length 13.7
  Top w0.5: R3.2 7.03,47.65 C6.1 7.03,45.76 v1(7.5,45.3) ; R8.2 8.31,35.84 U1.14 8.31,38.94 v1(7.15,40.1)
  Bottom w0.5: v1(7.15,40.1) 7.15,44.95 v1(7.5,45.3)
Net-(U1-RT): length 2.3
  Top w0.5: R13.2 4.49,44.12 U1.6
Net-(U6-Pad1): length 7.6
  Top w0.3: 28.3,93.95 U6.1 28.3,94.25 29.4,93.15 33.05,93.15 33.6,92.6 U7.4
Net-(U6-Pad3): length 5.2
  Top w0.3: U6.3 26.4,93.65 26.9,93.15 28.55,93.15 29.85,91.85 U8.4
Net-(U9A--): length 10.4
  Top w0.3: 108.16,38.88 U9.7 U9.2 ; U9.2 109.44,46 R35.2 109.39,47.59 C40.2 ; U9.2 109.4,43.79
Net-(U9B-+): length 4
  Top w0.3: R38.2 106.9,37.16 U9.5 106.66,38.64 R39.1
Net-(U10A-+): length 4.8
  Top w0.25: 90.54,46.25 90.64,46.25 92.36,47.97 R32.2
  Top w0.3: 94.37,48.26 94.3,48.2 R32.2
Net-(U10A--): length 3.4
  Top w0.3: U10.2 U10.1 92.56,50.81 R33.2
Net-(U10B--): length 1.3
  Top w0.3: 99.32,48.26 U10.7
Net-(U11A--): length 11.3
  Top w0.3: R37.2 109.25,34.44 C42.2
  Top w0.5: C43.1 113.7,30.16 R40.1 110.82,28.53 110.8,28.5 109.94,28.5 109.03,29.4 U11.2 109.03,32.49 C42.2
Net-(U11B-+): length 6.4
  Top w0.3: U11.5 106.5,24.01 R47.2
  Top w0.4: R48.1 104.71,24.43 R46.2 106.37,25.3 U11.5
Net-(U11B--): length 5.4
  Top w0.3: R44.2 108.43,21.59 R49.1 107.76,22.25 107.76,25.43
Net-(U12-DC): length 8.6
  Top w0.8: U12.7 U12.8
  Top w1: R45.1 91.21,88.11 U12.8 U12.1
Net-(U12-TC): length 6.9
  Top w0.4: C45.2 87.2,83.5 87.4,83.7 87.4,85.6 86.94,86.06 U12.3
Net-(U12-Vfb): length 4.3
  Top w0.3: 90.74,83.19 91.04,82.9
  Top w0.8: U12.5 90.72,83.31 R52.1
  Top w1: R53.2 R52.1
Net-(U15-DC): length 8.9
  Top w0.8: U15.8 107.03,78.84 ; U15.8 U15.1 ; U15.8 108.02,79.11 R63.1
Net-(U15-TC): length 7
  Top w0.4: U15.3 103.34,77.56 103.8,77.1 103.8,75.3 103.5,75 C66.2
Net-(U15-Vfb): length 3.9
  Top w0.8: U15.5 107.24,76.08 R66.1 107.24,72.55 R67.2
Net-(U16A--): length 4.6
  Top w0.3: R76.2 86.92,41.09 R79.1 ; R79.1 86.91,41.1 ; R79.1 87.1,40.91 U16.2
Net-(U16B--): length 10.8
  Top w0.3: v1(86.5,37) 86.5,36.23 R64.1 86.9,35.83 U16.6 ; 82.2,40.7 R62.2 82.36,41.09 83.7,39.75 85.25,39.75 v1(85.55,39.45)
  Bottom w0.3: v1(85.55,39.45) 85.55,37.95 v1(86.5,37)
Net-(U16C-+): length 11.3
  Top w0.3: U13.4 85.25,36.85 86.64,38.24 v1(87.15,38.24) 87.15,38.14 ; U16.10 94.05,37.14 v1(92.8,37.14)
  Bottom w0.3: v1(92.8,37.14) 91.7,38.24 v1(87.15,38.24)
Net-(U16C--): length 10.9
  Top w0.3: R99.1 100.32,40.99 R97.2 99.26,36.35 97.22,36.35 C91.2 95.94,35.83 U16.9
Net-(U16D-+): length 4.2
  Top w0.5: U16.12 95.93,39.64 R101.2 R104.1
Net-(U16D--): length 4.3
  Top w0.3: R105.1 R100.2 96.15,40.91 U16.13
Net-(U18A-+): length 5
  Top w0.3: R77.1 85.26,24.61 87.05,26.4 R75.2 89.08,26.4 U18.3
Net-(U18A--): length 5
  Top w0.3: U18.2 87.37,27.74 R74.2 85.61,29.5 R78.1
Net-(U18B-+): length 19.9
  Top w0.3: U14.4 83.9,32.55 84,32.45 84,30.5 83.9,30.4 83.9,28.35 83.65,28.1 83.65,24.34 84.24,23.75 88.97,23.75 U18.5 U18.10
Net-(U18B--): length 8.7
  Top w0.3: U18.6 90.12,22.66 90.68,22.11 90.68,19.6
  Top w0.5: U18.6 89.02,22.79 R71.1 ; 90.68,19.6 90.6,19.53 90.6,18.65 R68.2
Net-(U18C--): length 8.3
  Top w0.3: R83.2 92.43,21.96 93.13,22.66 U18.9 94.19,22.75 C82.2 96.57,22.6 R85.1
Net-(U18D-+): length 4.1
  Top w0.3: U18.12 94.13,26.5 R91.2 96.11,24.6 R92.1
Net-(U18D--): length 4.2
  Top w0.3: 98.01,28.4 97.8,28.19 96.32,28.19 95.88,27.74 U18.13
Net-(U21-DC): length 8.6
  Top w0.8: U21.1 U21.8 ; U21.8 U21.7 ; U21.8 121.92,88.01 R90.1
Net-(U21-TC): length 4.9
  Top w0.5: U21.3 118.13,85.87 118.7,85.3 C86.2
Net-(U21-Vfb): length 4.3
  Top w0.8: U21.5 122.94,84.59 R95.2 R96.1
Net-(U22-ADJ): length 5
  Top w0.3: R102.2 119.59,48.32
  Top w0.4: U22.4 120.72,47.29 119.69,48.32 R102.2 R103.1

## Copper pours and planes (outline as drawn; the poured copper is in the pictures)
+28V on Top: 50.2,41 50.6,41.5 56.8,41.5 57.2,41 57.1,39.7 56.8,39.5 54.1,39.4 52.8,38 50.3,38 50.2,38.2
GND on Top: 59.8,21.55 60.4,22.3 62.15,22.3 62.45,21.9 62.45,16.2 62.85,15.7 63.4,15.7 63.7,15.35 63.7,13.2 62.8,12.3 60.3,12.3 59.75,12.8
GND on Bottom: 234.76,212.07 -73.24,213.97 -83.04,-4.63 240.46,0.67
Earth on Top: 114.3,19.8 115.95,19.8 116.65,19.4 128.45,19.45 129.25,18.65 131.05,18.65 130.5,26.05 124.75,26.4 114.25,20.85 114.25,19.85
Vout+ on Top: 72.8,15.8 79.3,15.8 80,15.1 80,4 71.6,4 71.6,14.6
Vout+ on Bottom: 132.7,-0.1 132.7,8.41 86.86,8.51 81,16.2 72.4,16.2 71.1,13.9 71.1,-0.1
Vout- on Top: 128.3,12.7 128.3,8.5 106,8.6 85.6,8.6 80.6,11.1 80.6,15.48 78.92,16.7 73.1,16.7 67.6,20.3 67.6,22.7 68.7,23.45 70.35,23.4 71.9,22.9 81.8,19.5 86.45,14.4 89.4,13.6 91.9,13.2 110.6,13.2 114.3,18.1 116.1,18.1 117.2,16.5 121.3,16.5 122,16 121.9,13.2 122.6,12.7
Net-(C23-Pad2) on Top: 37.1,14.6 38.2,14.6 38.6,14.1 38.6,5.3 38.3,5 36.4,5 35.7,5.5 35.7,14.2
Net-(C23-Pad2) on Top: 24.9,4.3 26.46,4.3 27.35,5.41 27.35,13.85 28.1,14.6 30.36,14.6 31.31,13.49 31.3,5 29.9,3.9 27.8,-0.2 19.7,-0.1 19,0.53 19,3.63 19.67,4.3 21.3,4.3 21.8,3.8 21.8,2.1 22.3,1.6 24.1,1.6 24.6,2.1 24.6,4
Net-(C23-Pad2) on Bottom: 31.2,14.9 36.2,14.9 36.6,14.5 36.6,5.2 36.2,4.8 31.6,4.8 30.9,5.4 30.9,14.7
Net-(D10-K) on Top: 22.7,1.9 23.8,1.9 24.3,2.4 24.3,3.2 24.34,14.6 20.7,14.6 20.7,5.5 22,3.8 22,2.6
Net-(JP3-A) on Top: 65.75,11.35 69.4,14.35 70.4,14.35 71.1,13.85 71.1,12.35 70.5,9.9 70.5,5.1 68.4,0.95 66.2,2.25 66.05,4.7 65.05,5.35 65.05,10.7
Net-(Q3-C) on Bottom: 29.9,1.6 31.9,1.6 32.4,2.3 32.4,13.32 31.27,14.1 29,14.1 27.6,12.4 27.65,3.6
Net-(Q4-D) on Top: 33,1.8 34.4,1.8 34.9,2.3 34.9,4.3 35.4,5.2 35.4,14.1 34.8,14.7 31.9,14.7 31.4,14.2 31.4,5.3 32.5,4.2 32.5,2.25

Small or netless copper shapes (teardrops, artwork), in the pictures only: 1093 on Top, 267 on Bottom

## Text on the board
B.Silkscreen: Tomíkova krabička | Ještě není 18:10 | JE DESTET HODIN? | Ondratiho bílá prodloužená | PCB by Bodid | Schematics by Jedovcela | Supply V0.1 - 100% drunk piss | with electronic load | Linear output stage witch switching preregulator | Regulated programmable power supply | https://github.com/Jed0vcela/LabSupply-2025-2026 | Zkus neporušit ground plane | Jiří Kára Simulátor
F.Silkscreen: softstart-disable | - | + | BAF! | Richarde, / neflákej to! / (a nekraď to) | Bude bum? | neotočit! | dej to / správně | negative | 12-28Vin | KEKEL | NYC
